# Altium PCB Copy of Blower_Pcb.PcbDoc (part 1 of 2)
Units mm, origin at the board's own origin, x right, y up, seen from the top; angles counter-clockwise.
Board outline 125 x 35 mm, 4 copper layers (PWR+SIG, GND, GND (Plane2), PWR+SIG (Bottom)), stack 1.57 mm thick; 136 components, 87 nets, 501 pads, 199 vias.
Unrouted connection lines stored in the file: 2.
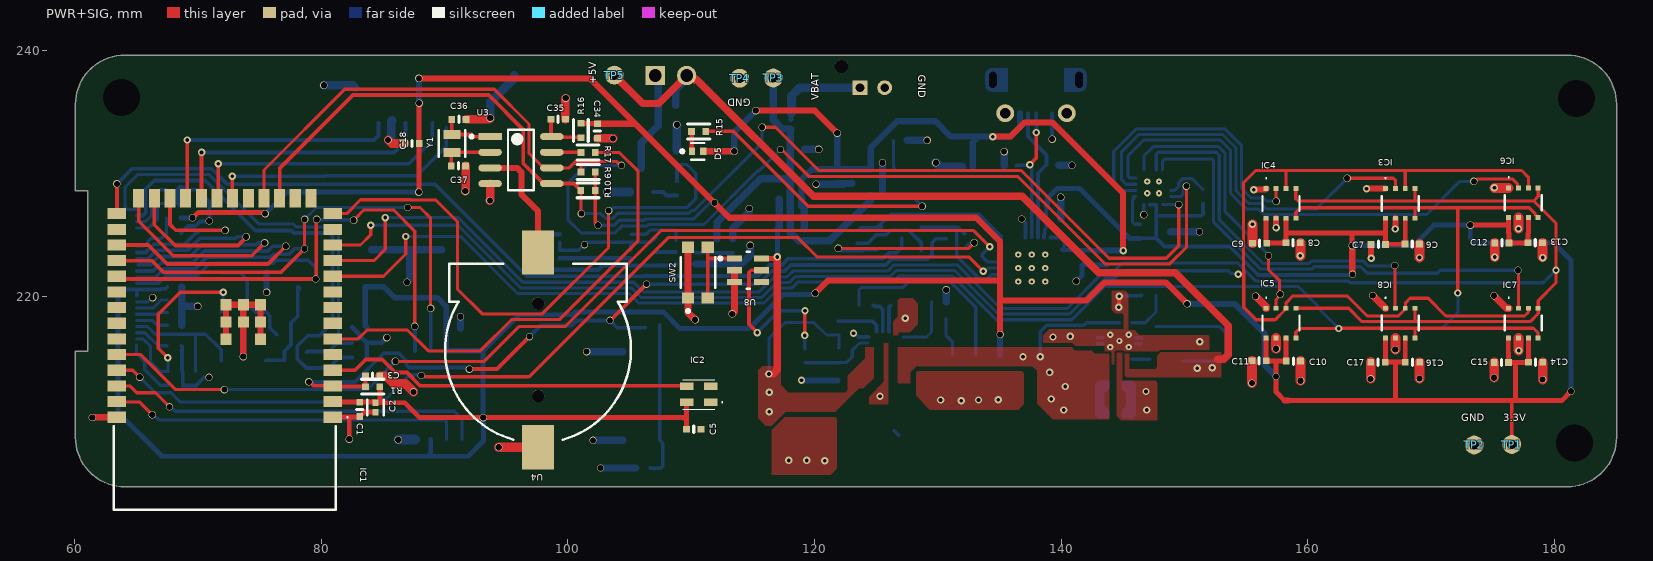
[diagram p0: PWR+SIG view]
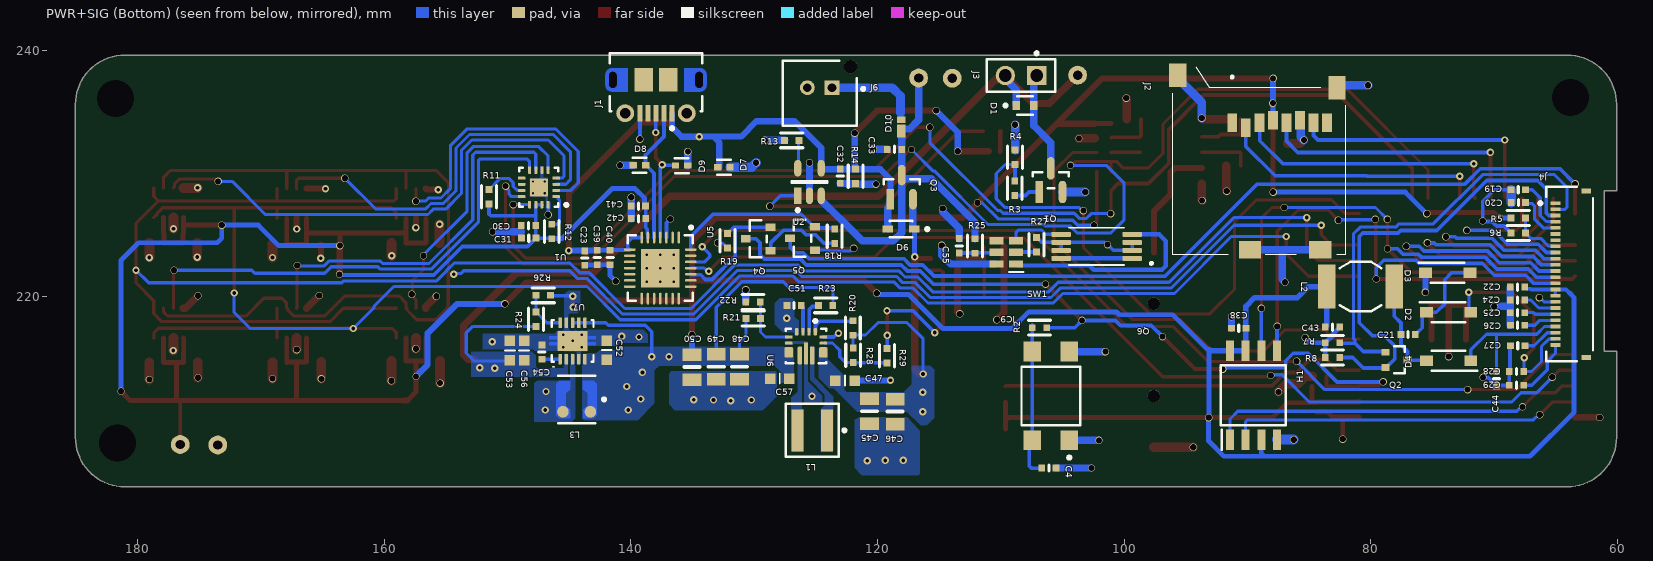
[diagram p1: PWR+SIG (Bottom) view, seen from below]
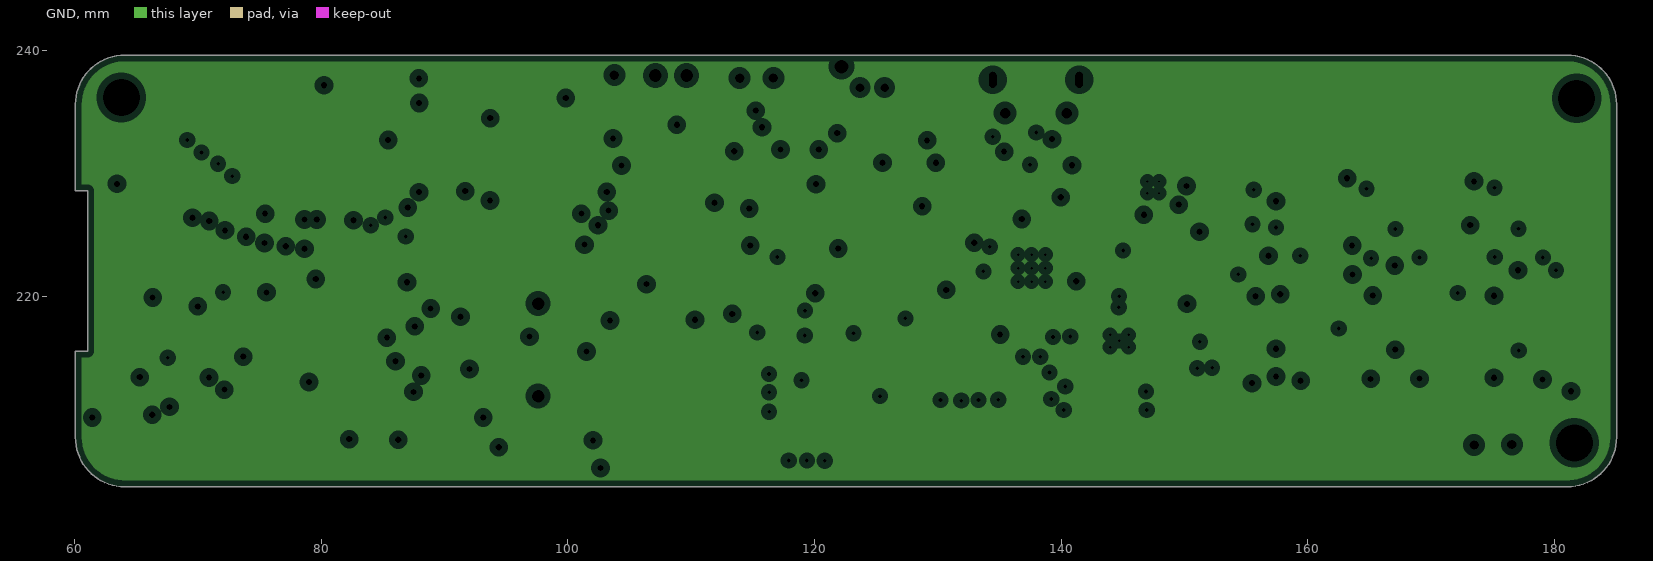
[diagram p2: GND, clearances drawn from the general rule]
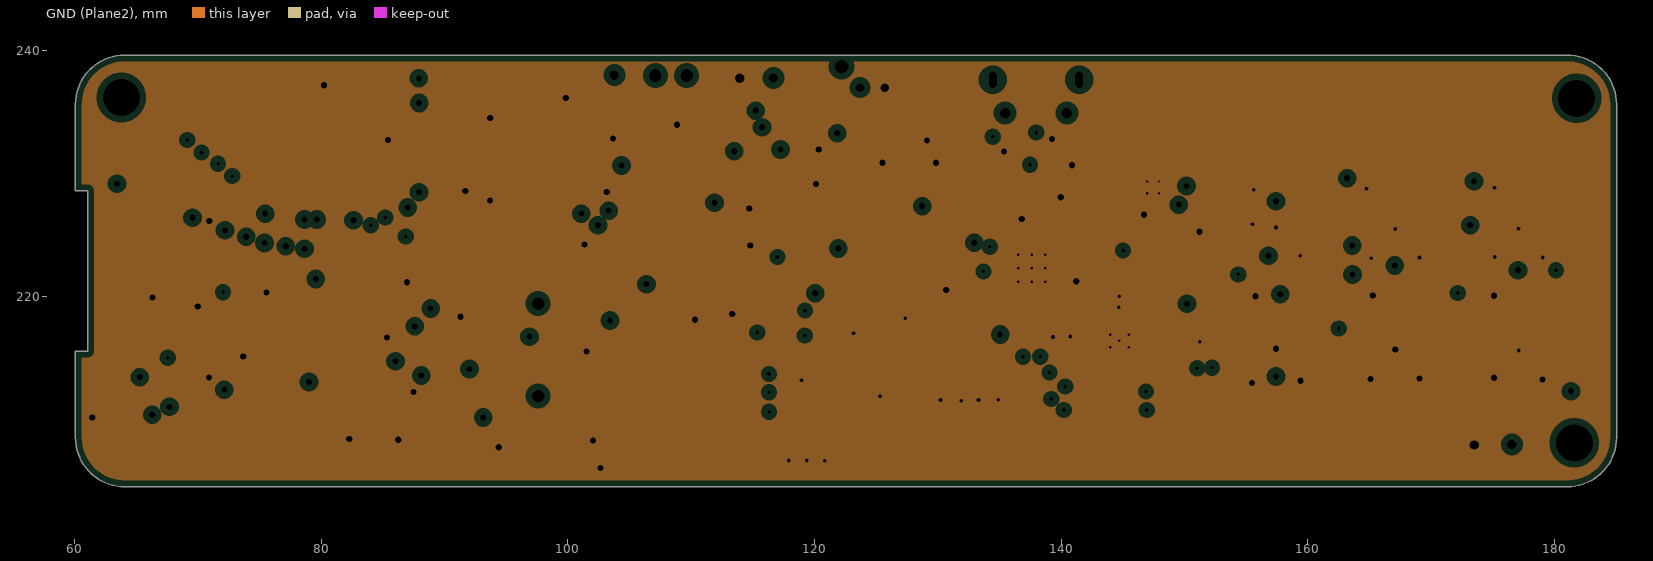
[diagram p3: GND (Plane2), clearances drawn from the general rule]

## Layer stack, top to bottom
Top Solder: solder mask 0.0254, SM-001, Dk 4
PWR+SIG: signal copper 0.035
Dielectric 1: prepreg 0.2, PP-017, Dk 4.6
GND: plane copper 0.0175, net GND
Dielectric 3: core 1.065, Core-039, Dk 4.6
GND (Plane2): plane copper 0.0175, net GND
Dielectric 5: prepreg 0.2, PP-017, Dk 4.6
PWR+SIG (Bottom): signal copper 0.035
Bottom Solder: solder mask 0.0254, SM-001, Dk 4

## Board outline
64.054,204.602 cw(c64.054,208.602) 60.054,208.602 60.054,215.602 61.054,215.602 61.054,228.602 60.054,228.602 60.054,235.602 cw(c64.054,235.602) 64.054,239.602 181.054,239.602 cw(c181.054,235.602) 185.054,235.602 185.054,208.602 cw(c181.054,208.602) 181.054,204.602

## Design rules (kind name [scope] priority, off if disabled: settings)
Clearance [All] p1: gap=0.2 ignorepadtopadclearanceinfootprint=FALSE
PlaneClearance [All] p1: clearance=0.508
PlaneConnect [All] p1: planeconnectstyle=Relief reliefexpansion=0.508 reliefentries=4 reliefconductorwidth=0.254 reliefairgap=0.254
PolygonConnect [All] p1: connectstyle=Direct reliefconductorwidth=0.254 reliefentries=4 polygonreliefangle="90 Angle" airgapwidth=0.254
RoutingVias [All] p1: holewidth=0.3 width=0.6 viastyle="Through Hole" minholewidth=0.3 minwidth=0.6 maxholewidth=0.5 maxwidth=1
SolderMaskExpansion SolderMaskExpansion_via [Isvia] p1: expansion=0.102 istentingtop=TRUE
SolderMaskExpansion [All] p2: expansion=0.102 istentingtop=FALSE
UnRoutedNet [All] p1: checkbadconnections=TRUE
Width [All] p1: maxlimit=1 minlimit=0.254 preferedwidth=0.3 minimp=50.000000 maximp=50.000000 favimp=50.000000
27 further rules are at their usual default settings.

## Classes and differential pairs
component class Sensor: C6 C7 C8 C9 C10 C11 C12 C13 C14 C15 C16 C17 IC3 IC4 IC5 IC6 IC7 IC8
component class RTC: C34 C35 C36 C37 R16 R17 U3 U4 Y1
component class Power: 2 C32 C33 C45 C46 C47 C48 C49 C50 C51 C52 C53 C54 C55 C56 C57 D5 D6 D10 IC9 J6 L1 L3 Q3 Q6 R13 R14 R15 R20 R21 R22 R23 R24 R25 R26 R27 R28 R29 SW2 TP1 TP2 TP3 TP4 TP5 U2 U6 U7 U8
component class Other: C18 D1 J2 J3 Q1 R3 R4
component class MCU: C1 C2 C3 C4 C5 C23 C39 C40 C41 C42 D7 D8 D9 IC1 IC2 J1 Q4 Q5 R1 R2 R18 R19 SW1 U5
component class I2C_DRIVER: C30 C31 R9 R10 R11 R12 U1
component class Display: C19 C20 C21 C22 C24 C25 C26 C27 C28 C29 C38 C43 C44 D2 D3 D4 H1 J4 L2 Q2 R5 R6 R7 R8

## Components (designator, comment, footprint, x,y, rotation, side; value= is the part's Value field where it differs from the comment)
C1 "0.10µF" SMD-0402C 83.12,210.87 r0 top
C2 "22uF" FP-CL05A226MQ5N6J8-IPC_C 84.39,211.03 r270 top
C3 "0.10µF" SMD-0402C 84.16,213.57 r90 top
C4 "0.10µF" SMD-0402C 106.098,206.118 r270 bottom
C5 "0.10µF" SMD-0402C 110.204,209.264 r90 top
C6 "0.10µF" SMD-0402C 168.48,224.28 r90 top
C7 "0.10µF" SMD-0402C 165.728,224.25 r270 top
C8 "0.10µF" SMD-0402C 158.819,224.378 r90 top
C9 "0.10µF" SMD-0402C 156.1,224.35 r270 top
C10 "0.10µF" SMD-0402C 158.84,214.79 r90 top
C11 "0.10µF" SMD-0402C 156.06,214.81 r270 top
C12 "0.10µF" SMD-0402C 175.75,224.37 r270 top
C13 "0.10µF" SMD-0402C 178.45,224.38 r90 top
C14 "0.10µF" SMD-0402C 178.48,214.69 r90 top
C15 "0.10µF" SMD-0402C 175.71,214.675 r270 top
C16 "0.10µF" SMD-0402C 168.495,214.698 r90 top
C17 "0.10µF" SMD-0402C 165.701,214.699 r270 top
C18 "0.10µF" SMD-0402C 87.351,232.435 r270 top
C19 "4.7µF" SMD-0402C 68.033,228.68 r270 bottom
C20 "4.7µF" SMD-0402C 68.018,227.648 r270 bottom
C21 "4.7µF" SMD-0402C 76.962,216.941 r90 bottom
C22 "1µF" SMD-0402C 68.094,220.79 r270 bottom
C23 "10µF" SMD-0402C 143.748,223.141 r180 bottom
C24 "1µF" SMD-0402C 68.097,219.732 r270 bottom
C25 "1µF" SMD-0402C 68.094,218.715 r270 bottom
C26 "4.7µF" SMD-0402C 68.086,217.693 r270 bottom
C27 "4.7µF" SMD-0402C 68.072,216.027 r270 bottom
C28 "4.7µF" SMD-0402C 68.174,213.944 r270 bottom
C29 "1µF" SMD-0402C 68.174,212.827 r270 bottom
C30 "0.10µF" SMD-0402C 148.302,225.779 r270 bottom
C31 "0.10µF" SMD-0402C 148.28,224.763 r270 bottom
C32 "4.7µF" SMD-0402C 123.012,229.794 r180 bottom
C33 "4.7µF" SMD-0402C 118.618,231.953 r270 bottom
C34 "10µF" SMD-0402C 102.39,233.45 r0 top
C35 "10µF" SMD-0402C 99.21,234.41 r90 top
C36 "12pF" SMD-0402C 91.16,234.39 r90 top
C37 "12pF" SMD-0402C 91.12,230.62 r90 top
C38 "0.10µF" SMD-0402C 90.703,217.449 r270 bottom
C39 "1µF" SMD-0402C 142.728,223.186 r180 bottom
C40 "0.10µF" SMD-0402C 141.688,223.186 r180 bottom
C41 "0.10µF" SMD-0402C 139.391,227.361 r270 bottom
C42 "4.7µF" SMD-0402C 139.381,226.341 r270 bottom
C43 "4.7µF" SMD-0402C 83.093,217.546 r90 bottom
C44 "4.7µF" SMD-0402C 69.799,213.36 r180 bottom
C45 "10µF" SMD-0805C 120.65,210.718 r180 bottom
C46 "10µF" SMD-0805C 118.567,210.693 r180 bottom
C47 "10µF" SMD-0603C 122.631,213.208 r90 bottom
C48 "22µF" SMD-0805C 131.18,214.322 r180 bottom
C49 "22µF" SMD-0805C 133.073,214.325 r180 bottom
C50 "22µF" SMD-0805C 135.054,214.3 r180 bottom
C51 "0.10µF" SMD-0402C 126.763,219.3 r270 bottom
C52 "10µF" SMD-0603C 141.964,215.675 r0 bottom
C53 "10µF" SMD-0603C 149.809,215.646 r0 bottom
C54 "0.10µF" SMD-0402C 147.218,215.519 r0 bottom
C55 "0.10µF" SMD-0402C 113.374,224.135 r0 bottom
C56 "10µF" SMD-0603C 148.666,215.646 r0 bottom
C57 "22µF" SMD-0603C 127.929,213.373 r270 bottom
D1 "1N4148WT-7" FP-SOD523-MFG 108.04,235.52 r180 bottom
D2 "MBR0530-T" SOD3716X135N 73.685,218.745 r180 bottom
D3 "MBR0530-T" SOD3716X135N 73.762,221.945 r180 bottom
D4 "MBR0530-T" SOD3716X135N 73.685,214.808 r0 bottom
D5 "SML-P11UTT86" FP-SML-P11UTT86-MFG 110.523,231.8 r0 top
D6 "BAT20JFILM" FP-BAT20JFILM-MFG 118.088,225.498 r0 bottom
D7 "PD1E10B06DPYR" FP-DPY0002A-MFG 132.461,230.505 r0 bottom
D8 "PD1E10B06DPYR" FP-DPY0002A-MFG 139.31,230.67 r180 bottom
D9 "PD1E10B06DPYR" FP-DPY0002A-MFG 135.88,230.64 r0 bottom
D10 "NSR20F30NXT5G" ONSC-DSN-2-512AB-01_V 118.085,233.731 r180 bottom
H1 "W25Q16DVSSIG" SOIC127P790X216-8N 89.51,212.014 r90 bottom locked
IC1 "ESP32-S3-WROOM-1-N16R8" ESP32S3WROOM1N16R8 72.174,215.496 r180 top
IC2 "SK6805-2427" SK68052427 110.61,212.089 r0 top
IC3 "BME688" BME688 167.512,227.575 r90 top
IC4 "BME688" BME688 157.834,227.575 r90 top
IC5 "BME688" BME688 157.834,217.872 r90 top
IC6 "BME688" BME688 177.495,227.638 r90 top
IC7 "BME688" BME688 177.495,217.872 r90 top
IC8 "BME688" BME688 167.512,217.872 r90 top
IC9 "DW01A-G" SOT95P190X145-6N 109.554,223.613 r0 bottom
J1 "105017-0001" USB-MICRO-B_V 137.965,236.244 r0 bottom
J2 "2908-05WB-MG" 290805WBMG 89.19,231.02 r180 bottom
J3 "M20-9990245" FP-M20-9990245-MFG 108.36,237.95 r0 bottom
J4 "FH34SRJ-24S-0.5SH(99)" FP-FH34SRJ-24S-0_5SH_99-MFG 63.869,221.84 r90 bottom
J6 "B02B-PASK-1(LF)(SN)" FP-B02B-PASK-1_LF_SN-MFG 124.688,236.514 r180 bottom
L1 "XFL4020-152MEC" FP-XFL4020-MFG 125.287,209.166 r0 bottom
L2 "7445110" "WE-PD3_Type S" 80.823,220.828 r180 bottom
L3 "LPS3015-222MRB" FP-LPS3015-MFG 144.399,211.684 r0 bottom
Q1 "BSS138" FP-318-08-IPC_A 105.945,229.461 r90 bottom
Q2 "SI1308EDL-T1-GE3" FP-5549-MFG 77.902,214.884 r180 bottom
Q3 "DMG2307L-7" FP-SOT23-IPC_A 118.039,228.895 r90 bottom
Q4 "SS8050-G" FP-SS8050-G-MFG 129.678,224.699 r0 bottom
Q5 "SS8050-G" FP-SS8050-G-MFG 126.086,224.739 r0 bottom
Q6 "FS8205A" SOP65P640X120-8N 102.224,224.095 r0 bottom
R1 "10k" SMD-0402-RES 84.16,212.71 r90 top
R2 "0.0" SMD-0402-RES 106.858,217.5 r90 bottom
R3 "100" SMD-0402-RES 108.866,228.801 r180 bottom
R4 "10k" SMD-0402-RES 108.841,231.316 r180 bottom
R5 "10k" SMD-0402-RES 68.039,226.394 r90 bottom
R6 "3" SMD-0402-RES 68.033,225.175 r270 bottom
R7 "10k" SMD-0402-RES 83.093,216.276 r270 bottom
R8 "3" SMD-0402-RES 83.093,215.082 r90 bottom
R9 "10k" SMD-0402-RES 101.64,230.13 r270 top
R10 "10k" SMD-0402-RES 101.626,228.63 r270 top
R11 "10k" SMD-0402-RES 151.511,228.117 r180 bottom
R12 "10k" SMD-0402-RES 146.42,225.3 r180 bottom
R13 "2k" SMD-0402-RES 126.949,232.689 r90 bottom
R14 "10k" SMD-0402-RES 121.773,229.776 r0 bottom
R15 "470" SMD-0402-RES 110.6,233.41 r270 top
R16 "1k" SMD-0402-RES 101.05,233.49 r0 top
R17 "0.0" SMD-0402-RES 101.634,231.71 r90 top
R18 "10k" SMD-0402-RES 123.469,224.917 r180 bottom
R19 "10k" SMD-0402-RES 132.167,224.547 r180 bottom
R20 "10k" SMD-0402-RES 121.996,217.475 r180 bottom
R21 "470k" SMD-0402-RES 130.073,218.237 r270 bottom
R22 "150k" SMD-0402-RES 130.099,219.583 r90 bottom
R23 "100k" SMD-0402-RES 124.206,219.304 r270 bottom
R24 "2M" SMD-0402-RES 147.701,218.186 r180 bottom
R25 "100" SMD-0402-RES 112.094,224.121 r0 bottom
R26 "220k" SMD-0402-RES 147.11,220.12 r270 bottom
R27 "1k" SMD-0402-RES 107.1,224.228 r180 bottom
R28 "0.0" SMD-0402-RES 121.971,215.265 r0 bottom
R29 "0.0" SMD-0402-RES 119.228,215.214 r0 bottom
SW1 "TL3305AF260QG" FP-TL3305AF260QG-MFG 105.946,211.96 r90 bottom
SW2 "KMR221NGLFS" FP-KMR221NGLFS-0 110.54,221.97 r90 top
TP1 "TEST POINT" "TEST POINT_30" 176.555,208.02 r0 top
TP2 "TEST POINT" "TEST POINT_30" 173.501,207.985 r0 top
TP3 "TEST POINT" "TEST POINT_30" 116.662,237.75 r0 top
TP4 "TEST POINT" "TEST POINT_30" 113.933,237.732 r0 top
TP5 "TEST POINT" "TEST POINT_30" 103.77,237.985 r0 top
U1 "TCA6408ARGTR" RGT0016A_V 147.464,228.878 r0 bottom
U2 "MCP73831T-2ACI/OT" FP-C04-091-OT-IPC_B 125.515,229.313 r90 bottom
U3 "PCF8523T/1,118" FP-SOT96-1-IPC_B 96.19,231.089 r0 top
U4 "1056TR" 1056TR 97.587,215.697 r90 top locked
U5 "CP2102-GMR" SLAB-QFN-28-3125x3125TP_M 137.618,222.331 r270 bottom
U6 "TPS63070RNMT" FP-RNM0015A-MFG 125.795,216.014 r270 bottom
U7 "TPS61200DRCT" DRC0010J_V 144.733,216.42 r90 bottom
U8 "MAX16054AZT+T" FP-Z6-1-MFG 114.61,222.16 r0 top
Y1 "ABS06-32.768KHZ-9-T" FP-ABS06-MFG 90.602,232.435 r90 top

## Footprints (in the part's own frame and the unit in brackets; to place one, negate y for a bottom-side part, rotate by r counter-clockwise, add the part's x,y. Pads: shape width x height; smd on the part's side, far side on the other; paste and mask are expansions set on the pad)
1056TR [mm]
  rect 3.6x2.6 smd: 1(-7.9,0) 2(7.9,0)
  round 1 hole 1 unplated: 3(-3.75,0) 4(3.75,0)
  silkscreen extent -7.28,-7.52 7,7.55, body extent -9.4,-7.71 9.4,7.71, height 4.12
290805WBMG [mm]
  rect 0.8x1.5 smd: 1(-2.04,3.1) 2(-0.94,2.7) 3(0.16,3.1) 4(1.26,3.3) 5(2.36,3.1) 6(3.46,3.3) 7(4.56,3.1) 8(5.66,3.1)
  rect 1.4x1.9 smd: MP1(6.45,5.95) MP4(-6.45,6.95)
  rect 1.8x1.4 smd: MP2(5.1,-7.2) MP3(-0.6,-7.2)
  silkscreen extent -6.85,-7.6 7.15,7.6, body extent -7,-7.6 7,7.6, height 1.85
BME688 [mm]
  rect 0.4x0.4 smd: 1(1.2,1.2) 2(1.2,0.4) 3(1.2,-0.4) 4(1.2,-1.2) 5(-1.2,-1.2) 6(-1.2,-0.4) 7(-1.2,0.4) 8(-1.2,1.2)
  silkscreen extent -0.6,-1.5 2.1,1.5, body extent -1.5,-1.5 1.5,1.5, height 0.93
DRC0010J_V [mm] "SON, 10-Leads, Body 3x3mm, Pitch 0.5mm, Thermal Pad 2.4x1.65mm, TI Recommended"
  rrect36% 0.85x0.28 smd paste-0.025 mask+0.07: 1(-1.475,1) 2(-1.475,0.5) 3(-1.475,0) 4(-1.475,-0.5) 5(-1.475,-1) 6(1.475,-1) 7(1.475,-0.5) 8(1.475,0) 9(1.475,0.5) 10(1.475,1)
  rrect6% 1.65x2.4 smd paste-0.825 mask+0.07: 11(0,0)
  PWR+SIG region: 0.396,-1.895 0.116,-1.895 0.116,-1.195 0.396,-1.195
  PWR+SIG region: -0.384,-1.195 -0.104,-1.195 -0.104,-1.895 -0.384,-1.895
  PWR+SIG region: -0.384,1.905 -0.104,1.905 -0.104,1.205 -0.384,1.205
  PWR+SIG region: 0.396,1.205 0.116,1.205 0.116,1.905 0.396,1.905
  silkscreen extent -2.15,-1.7 1.7,1.7, body extent -1.55,-1.55 1.55,1.55, height 1
ESP32S3WROOM1N16R8 [mm]
  rect 1.5x0.9 smd: 1(-8.75,5.26) 2(-8.75,3.99) 3(-8.75,2.72) 4(-8.75,1.45) 5(-8.75,0.18) 6(-8.75,-1.09) 7(-8.75,-2.36) 8(-8.75,-3.63) 9(-8.75,-4.9) 10(-8.75,-6.17) 11(-8.75,-7.44) 12(-8.75,-8.71) 13(-8.75,-9.98) 14(-8.75,-11.25) 27(8.75,-11.25) 28(8.75,-9.98) 29(8.75,-8.71) 30(8.75,-7.44) 31(8.75,-6.17) 32(8.75,-4.9) 33(8.75,-3.63) 34(8.75,-2.36) 35(8.75,-1.09) 36(8.75,0.18) 37(8.75,1.45) 38(8.75,2.72) 39(8.75,3.99) 40(8.75,5.26)
  rect 0.9x1.5 smd: 15(-6.985,-12.5) 16(-5.715,-12.5) 17(-4.445,-12.5) 18(-3.175,-12.5) 19(-1.905,-12.5) 20(-0.635,-12.5) 21(0.635,-12.5) 22(1.905,-12.5) 23(3.175,-12.5) 24(4.445,-12.5) 25(5.715,-12.5) 26(6.985,-12.5)
  rect 0.9x0.9 smd: 41(-1.5,-2.46) 42(-2.9,-1.06) 43(-2.9,-2.46) 44(-2.9,-3.86) 45(-1.5,-3.86) 46(-0.1,-3.86) 47(-0.1,-2.46) 48(-0.1,-1.06) 49(-0.1,-1.06)
  silkscreen extent -10,5.21 9,12.75, body extent -9.02,-12.45 8.98,13.05, height 3.26
FP-318-08-IPC_A [mm]
  rect 1.824x0.618 smd paste+0 mask+0: 1(-0.96,0.95)
  rrect100% 1.824x0.618 smd paste+0 mask+0: 2(-0.96,-0.95) 3(0.96,0)
  silkscreen extent -0.65,-1.45 0.65,1.45, body extent -1.2,-1.45 1.2,1.45, height 1.11
FP-5549-MFG [mm]
  rect 0.648x0.559 smd paste+0 mask+0: 1(-0.895,0.623) 2(-0.895,-0.623) 3(0.895,0)
  silkscreen extent -0.2,-1.1 0.67,1.1, body extent -1.05,-1 1.05,1, height 1.1
FP-ABS06-MFG [mm]
  rect 0.75x1.4 smd paste+0 mask+0: 1(-0.725,0) 2(0.725,0)
  silkscreen extent -1.07,-1.07 1.07,1.07, body extent -1.2,-0.8 1.2,0.8, height 0.25
FP-B02B-PASK-1_LF_SN-MFG [mm]
  rect 1.2x1.2 hole 0.7 paste-1000 mask+0: 1(1,0.45)
  round 1.2 hole 0.7 paste-1000 mask+0: 2(-1,0.45)
  round 1.1 hole 1.1 unplated paste-1000 mask+0: ""(2.5,2.15)
  silkscreen extent -3,-2.65 3.65,2.65, body extent -3,-2.65 3,2.65, height 7.7
FP-BAT20JFILM-MFG [mm]
  rect 0.86x0.54 smd paste+0 mask+0: 1(-1.07,0) 2(1.07,0)
  silkscreen extent -2.25,-0.67 0.9,0.67, body extent -1.26,-0.62 1.26,0.62, height 1.13
FP-C04-091-OT-IPC_B [mm]
  rect 1.338x0.578 smd paste+0 mask+0: 1(-1.116,0.95)
  rrect100% 1.338x0.578 smd paste+0 mask+0: 2(-1.116,0) 3(-1.116,-0.95) 4(1.116,-0.95) 5(1.116,0.95)
  silkscreen extent -2.41,-1.45 0.05,1.45
FP-CL05A226MQ5N6J8-IPC_C [mm]
  rect 0.515x0.472 smd paste+0 mask+0: 1(-0.379,0) 2(0.379,0)
  silkscreen extent -0.64,-0.67 0.64,0.67, body extent -0.5,-0.25 0.5,0.25, height 0.55
FP-DPY0002A-MFG [mm]
  rect 0.6x0.5 smd paste+0 mask+0: 1(-0.5,0) 2(0.5,0)
  silkscreen extent -0.56,-0.6 0.55,0.6, body extent -0.5,-0.3 0.5,0.3, height 0.45
FP-FH34SRJ-24S-0_5SH_99-MFG [mm]
  rect 0.3x0.8 smd paste-1000 mask+0: 1(5.75,1.15) 2(5.25,1.15) 3(4.75,1.15) 4(4.25,1.15) 5(3.75,1.15) 6(3.25,1.15) 7(2.75,1.15) 8(2.25,1.15) 9(1.75,1.15) 10(1.25,1.15) 11(0.75,1.15) 12(0.25,1.15) 13(-0.25,1.15) 14(-0.75,1.15) 15(-1.25,1.15) 16(-1.75,1.15) 17(-2.25,1.15) 18(-2.75,1.15) 19(-3.25,1.15) 20(-3.75,1.15) 21(-4.25,1.15) 22(-4.75,1.15) 23(-5.25,1.15) 24(-5.75,1.15)
  rect 0.4x0.8 smd paste+0 mask+0: 25(-6.75,-1.35) 26(6.75,-1.35)
  silkscreen extent -7.07,-1.9 7.07,2.5, body extent -7,-1.9 7,1.35, height 1.75
FP-KMR221NGLFS-0 [mm]
  rect 0.9x1 smd paste+0 mask+0: 1(-2.05,0.8) 2(2.05,0.8) 3(-2.05,-0.8) 4(2.05,-0.8)
  silkscreen extent -3.25,-1.4 1.22,1.4, body extent -2.6,-1.5 2.6,1.5, height 0.25
FP-LPS3015-MFG [mm]
  round 0.937 smd paste+0 mask+0: 1(-1.116,1.004) 2(1.116,1.004)
  PWR+SIG region: -1.65,0 -1.65,1.27 -1.395,1.525 -0.51,1.525 -0.51,0.825 -0.89,0.51 -0.89,-0.51 -0.51,-0.825 -0.51,-1.525 -1.395,-1.525 -1.65,-1.27 -1.65,0
  PWR+SIG region: 1.65,0 1.65,1.27 1.395,1.525 0.51,1.525 0.51,0.825 0.89,0.51 0.89,-0.51 0.51,-0.825 0.51,-1.525 1.395,-1.525 1.65,-1.27 1.65,0
  silkscreen extent -2.35,-1.92 1.51,1.92, body extent -1.48,-1.48 1.48,1.48, height 1.5
FP-M20-9990245-MFG [mm]
  rect 1.57x1.57 hole 1.02 paste-1000 mask+0: 1(-1.27,0)
  round 1.57 hole 1.02 paste-1000 mask+0: 2(1.27,0)
  silkscreen extent -2.79,-1.92 2.79,1.32, body extent -2.54,-1.27 2.54,1.27, height 11.53
FP-RNM0015A-MFG [mm]
  rrect40% 0.6x0.25 smd paste+0 mask-1000: 1(-1.15,0.75) 2(-1.15,0.25) 3(-1.15,-0.25) 4(-1.15,-0.75)
  rrect40% 0.25x0.6 smd paste+0 mask-1000: 5(-0.725,-1.4) 6(-0.225,-1.4) 14(-0.225,1.4) 15(-0.725,1.4)
  rrect29% 0.85x0.7 smd paste-1000 mask-1000: 7-8(0.525,-1.4) 12-13(0.525,1.4)
  rrect57% 1.45x0.35 smd paste-1000 mask-1000: 9(0.775,-0.5) 11(0.775,0.5)
  rrect57% 1.8x0.35 smd paste-1000 mask-1000: 10(0.6,0)
  silkscreen extent -2.15,-1.65 1.4,1.65, body extent -1.25,-1.5 1.25,1.5, height 1
FP-SML-P11UTT86-MFG [mm]
  rect 0.5x0.6 smd paste+0 mask+0: 1(-0.45,0) 2(0.45,0)
  silkscreen extent -1.37,-0.67 0.53,0.67, body extent -0.5,-0.3 0.5,0.3, height 0.25
FP-SOD523-MFG [mm]
  rect 0.6x0.7 smd paste+0 mask+0: 1(-0.7,0) 2(0.7,0)
  silkscreen extent -1.7,-0.75 0.63,0.75, body extent -0.8,-0.4 0.8,0.4, height 0.65
FP-SOT23-IPC_A [mm]
  rect 1.659x0.627 smd paste+0 mask+0: 1(-0.977,0.915)
  rrect100% 1.659x0.627 smd paste+0 mask+0: 2(-0.977,-0.915) 3(0.977,0)
  silkscreen extent 0.23,-1.45 0.65,1.45, body extent -1.2,-1.45 1.2,1.45, height 1.1
FP-SOT96-1-IPC_B [mm]
  rect 1.904x0.568 smd paste+0 mask+0: 1(-2.501,1.905)
  rrect100% 1.904x0.568 smd paste+0 mask+0: 2(-2.501,0.635) 3(-2.501,-0.635) 4(-2.501,-1.905) 5(2.501,-1.905) 6(2.501,-0.635) 7(2.501,0.635) 8(2.501,1.905)
  silkscreen extent -4.13,-2.45 1.05,2.45, body extent -3.7,-2.7 3.7,2.7, height 0.25
FP-SS8050-G-MFG [mm]
  rect 0.8x0.6 smd paste+0 mask+0: 1(-1.01,0.95) 2(-1.01,-0.95) 3(1.01,0)
  silkscreen extent -0.7,-1.5 0.7,1.5, body extent -1.21,-1.45 1.21,1.45, height 1.15
FP-TL3305AF260QG-MFG [mm]
  rect 1.6x1.4 smd paste+0 mask+0: 1(-3.6,-1.5) 2(3.6,-1.5) 3(-3.6,1.5) 4(3.6,1.5)
  silkscreen extent -5.12,-2.37 2.37,2.37, body extent -3.75,-2.25 3.75,2.25, height 3.8
FP-XFL4020-MFG [mm]
  rect 0.98x3.4 smd paste+0 mask+0: 1(-1.185,0) 2(1.185,0)
  silkscreen extent -2.72,-2.15 2.15,2.15, body extent -2,-2 2,2, height 2.23
FP-Z6-1-MFG [mm]
  rect 1.2x0.5 smd paste+0 mask+0: 1(-1.1,0.95) 2(-1.1,0) 3(-1.1,-0.95) 4(1.1,-0.95) 5(1.1,0) 6(1.1,0.95)
  silkscreen extent -2.37,-1.5 0.13,1.5, body extent -1.8,-1.75 1.8,1.75, height 0.25
ONSC-DSN-2-512AB-01_V [mm] "DSN, 2-Leads, Body 1.6x0.8mm"
  rect 0.7x0.52 smd: 1(0,0.64)
  rect 0.7x1.05 smd: 2(0,-0.275)
  silkscreen extent -0.8,0.59 -0.7,0.69, body extent -0.4,-0.8 0.4,0.8, height 0.31
RGT0016A_V [mm] "QFN, 16-Leads, Body 3x3mm, Pitch 0.5mm, Thermal Pad 1.45x1.45mm"
  rrect42% 0.6x0.24 smd: 1(-1.4,0.75) 2(-1.4,0.25) 3(-1.4,-0.25) 4(-1.4,-0.75) 9(1.4,-0.75) 10(1.4,-0.25) 11(1.4,0.25) 12(1.4,0.75)
  rrect42% 0.24x0.6 smd: 5(-0.75,-1.4) 6(-0.25,-1.4) 7(0.25,-1.4) 8(0.75,-1.4) 13(0.75,1.4) 14(0.25,1.4) 15(-0.25,1.4) 16(-0.75,1.4)
  rrect7% 1.45x1.45 smd paste-0.725: 17(0,0)
  silkscreen extent -2.35,-1.57 1.57,1.58, body extent -1.5,-1.5 1.5,1.5, height 1
SK68052427 [mm]
  rect 1.1x0.6 smd: 1(0.975,-0.65) 2(0.975,0.65) 3(-0.975,0.65) 4(-0.975,-0.65)
  silkscreen extent -1.3,-1.2 1.95,1.2, body extent -1.3,-1.2 1.3,1.2, height 1.2
SLAB-QFN-28-3125x3125TP_M [mm] "QFN, 28-Leads, Body 5x5mm, Pitch 0.5mm, Thermal Pad 3.13x3.13mm, IPC Low Density"
  oval 0.95x0.2 smd: 1(-2.475,1.5) 2(-2.475,1) 3(-2.475,0.5) 4(-2.475,0) 5(-2.475,-0.5) 6(-2.475,-1) 7(-2.475,-1.5) 15(2.475,-1.5) 16(2.475,-1) 17(2.475,-0.5) 18(2.475,0) 19(2.475,0.5) 20(2.475,1) 21(2.475,1.5)
  oval 0.2x0.95 smd: 8(-1.5,-2.475) 9(-1,-2.475) 10(-0.5,-2.475) 11(0,-2.475) 12(0.5,-2.475) 13(1,-2.475) 14(1.5,-2.475) 22(1.5,2.475) 23(1,2.475) 24(0.5,2.475) 25(0,2.475) 26(-0.5,2.475) 27(-1,2.475) 28(-1.5,2.475)
  rect 3.13x3.13 smd: 29(0,0)
  silkscreen extent -3.42,-2.65 2.65,2.65, body extent -2.5,-2.5 2.5,2.5, height 1
SMD-0402-RES [mm]
  rect 0.55x0.55 smd: 1(0,0.584) 2(0,-0.584)
  silkscreen extent -0.6,-0.9 0.6,0.9, body extent -0.28,-0.57 0.27,0.58, height 0.41
SMD-0402C [mm]
  rect 0.55x0.55 smd: 1(0,0.584) 2(0,-0.584)
  silkscreen extent -0.25,0 0.25,0, body extent -0.25,-0.51 0.25,0.51, height 0.51
SMD-0603C [mm]
  rect 0.85x0.85 smd: 1(0,0.775) 2(0,-0.775)
  silkscreen extent -0.4,0 0.4,0, body extent -0.4,-0.8 0.4,0.8, height 0.9
SMD-0805C [mil]
  rect 60x40 smd: 1(0,40) 2(0,-40)
  silkscreen extent -25,0 25,0, body extent -25,-39 25,39, height 35
SOD3716X135N [mm]
  rect 1.05x0.85 smd: 1(-1.8,0) 2(1.8,0)
  silkscreen extent -2.32,-0.8 1.35,0.8, body extent -1.85,-0.8 1.85,0.8, height 1.35